# KiCad board element_foxtrot.kicad_pcb (continued)
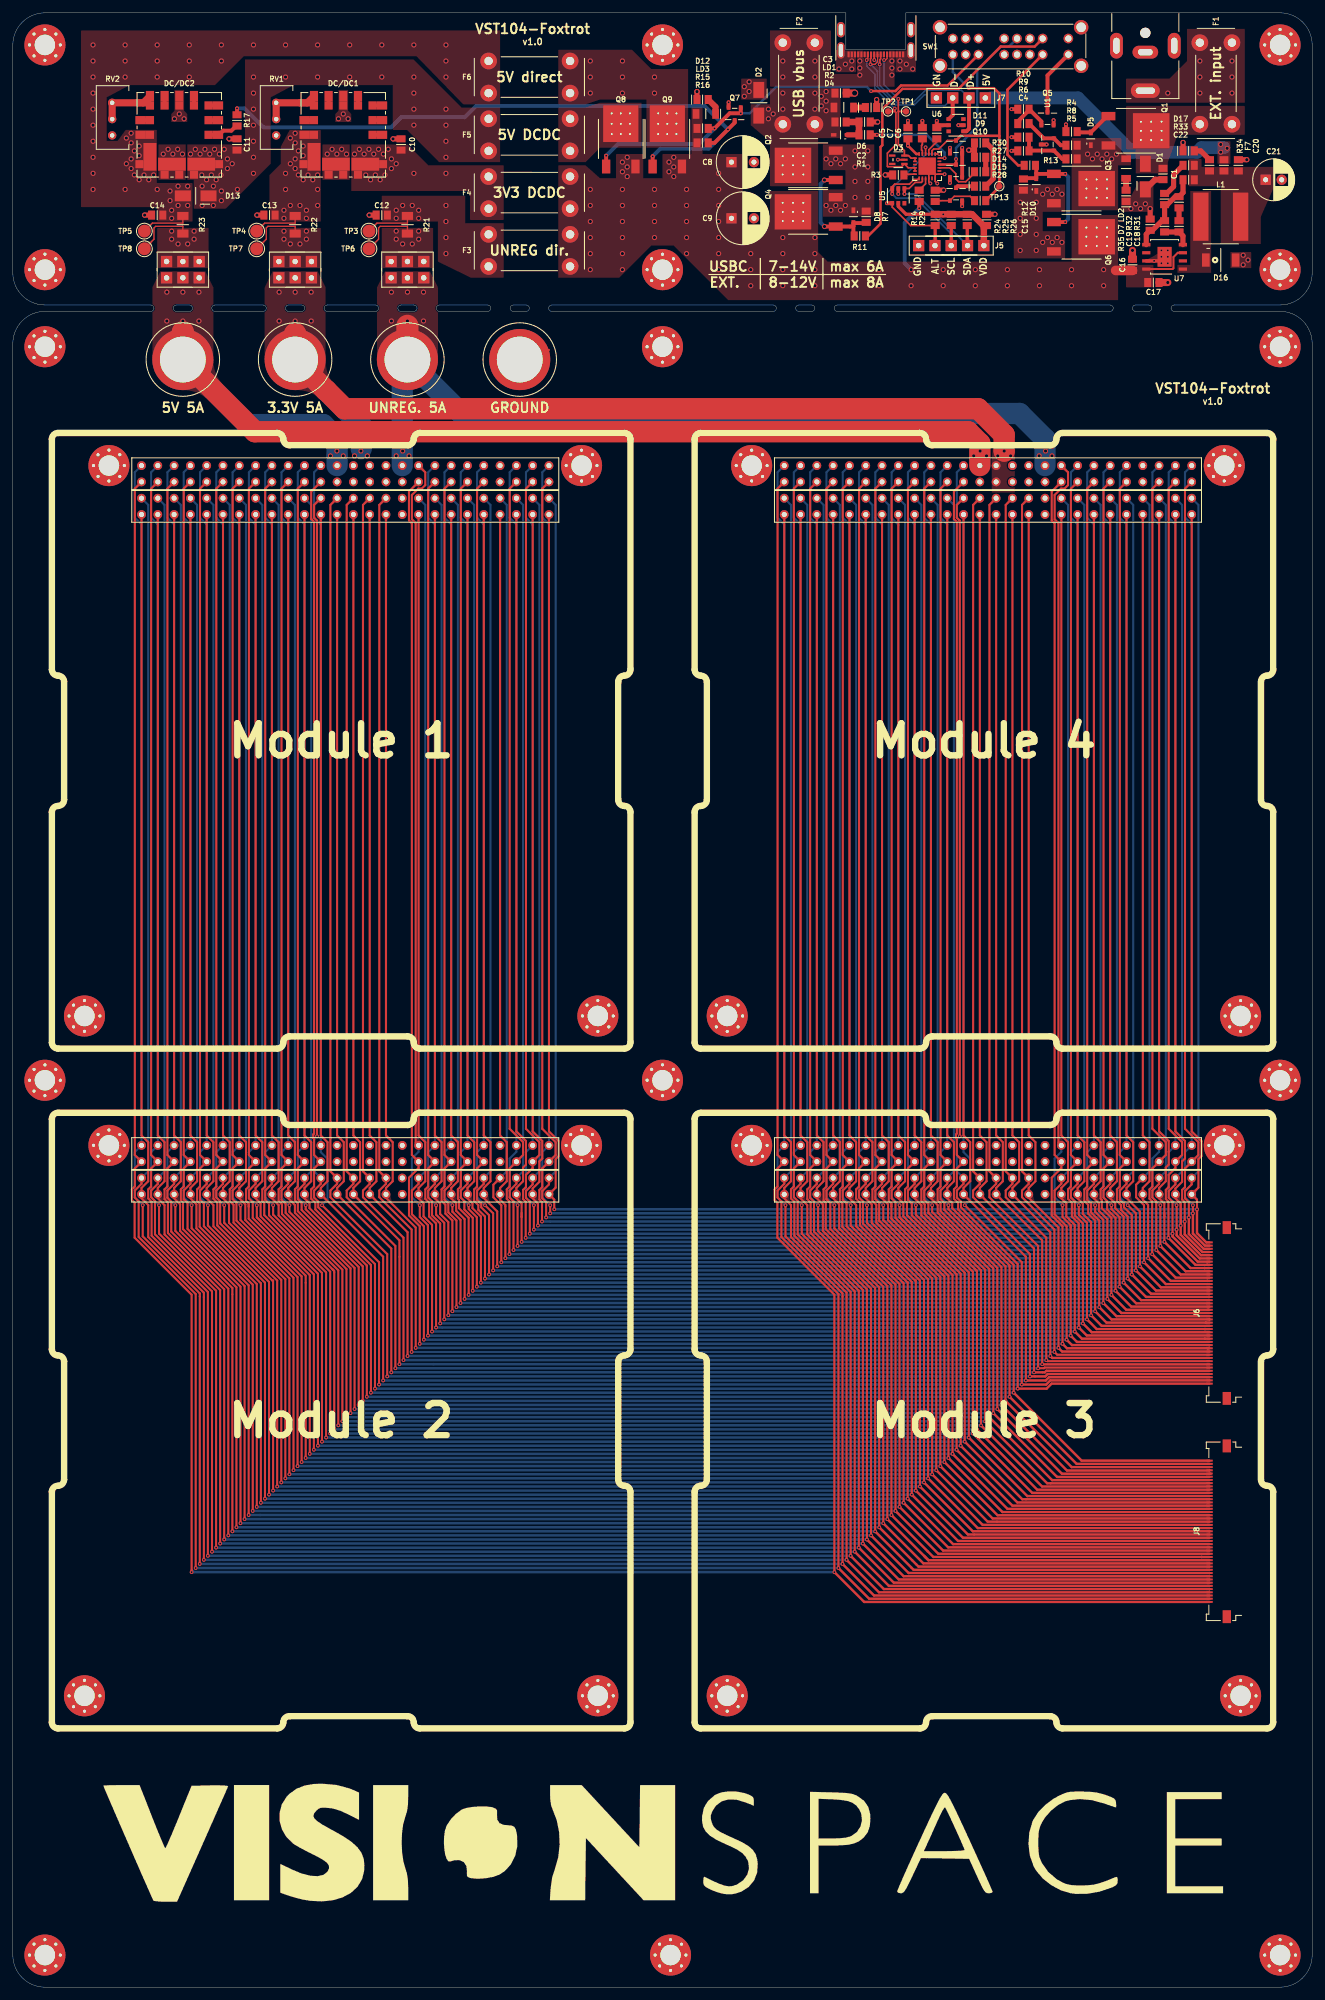
[diagram p0: board, top side]
## Copper pours and planes (outline as drawn; the poured copper is in the pictures) (continued)
/SUP_BAT_2 on In1.Cu: 75.58,236.08 75.62,236.13 75.67,236.16 75.7,236.2 75.74,236.22 75.78,236.25 75.81,236.27 75.84,236.28 75.87,236.29 75.9,236.3 75.93,236.3 76.18,237.23 75.25,236.98 75.25,236.95 75.24,236.92 75.23,236.89 75.22,236.86 75.2,236.83 75.17,236.79 75.15,236.75 75.11,236.72 75.08,236.67 75.03,236.63
/SUP_BAT_2 on In1.Cu: 75.03,131.46 75.08,131.42 75.11,131.37 75.15,131.34 75.17,131.3 75.2,131.26 75.22,131.23 75.23,131.2 75.24,131.17 75.25,131.14 75.25,131.11 76.18,130.86 75.93,131.79 75.9,131.79 75.87,131.8 75.84,131.81 75.81,131.82 75.78,131.84 75.74,131.87 75.7,131.89 75.67,131.93 75.62,131.96 75.58,132.01
/SUP_UNREG on Top: 66.25,253.5 56.75,253.5 56.75,264.75 58,267.25 65,267.25 66.25,264.75
/SUP_UNREG on Bottom: 67.96,249.37 67.63,249.73 67.34,250.09 67.08,250.47 66.86,250.86 66.67,251.26 66.52,251.67 66.4,252.1 66.32,252.54 66.27,252.99 66.25,253.45 59.81,255.18 61.54,248.74 62.01,248.73 62.46,248.68 62.89,248.6 63.32,248.48 63.73,248.32 64.14,248.14 64.53,247.91 64.9,247.65 65.27,247.36 65.62,247.03
/SUP_UNREG on Bottom: 62.35,245.21 62.52,245.84 62.71,246.44 62.91,247.01 63.13,247.55 63.37,248.06 63.63,248.53 63.9,248.97 64.19,249.38 64.5,249.76 64.83,250.1 61.5,255.88 58.16,250.1 58.47,249.76 58.73,249.38 58.95,248.97 59.11,248.53 59.22,248.06 59.28,247.55 59.3,247.01 59.26,246.44 59.17,245.84 59.04,245.21
/SUP_UNREG on Bottom: 162.53,127.68 159.2,127.68 159.2,240.64 162.53,240.64
/SUP_UNREG on Bottom: 62.36,127.68 59.03,127.68 59.03,240.64 62.36,240.64
/SUP_UNREG on In1.Cu: 162.53,127.68 159.2,127.68 159.2,240.64 162.53,240.64
/SUP_UNREG on In1.Cu: 62.36,127.68 59.03,127.68 59.03,240.64 62.36,240.64
/SUP_UNREG on In1.Cu: 66.25,264.75 66.25,253.5 56.75,253.5 56.75,264.75 58,267.25 65,267.25
/USB_N on Top: 146.78,292.86 146.78,292.95 146.79,293.04 146.81,293.12 146.83,293.2 146.86,293.28 146.89,293.36 146.93,293.43 146.98,293.5 147.03,293.56 147.09,293.63 146.48,294.69 145.87,293.63 145.93,293.56 145.98,293.5 146.03,293.43 146.07,293.36 146.1,293.28 146.13,293.2 146.15,293.12 146.17,293.04 146.18,292.95 146.18,292.86
/USB_N on Bottom: 145.37,292.96 145.46,293.04 145.55,293.11 145.64,293.18 145.75,293.23 145.85,293.28 145.97,293.31 146.09,293.34 146.21,293.36 146.34,293.37 146.47,293.38 146.79,294.56 145.61,294.24 145.6,294.11 145.59,293.98 145.57,293.86 145.54,293.74 145.51,293.62 145.46,293.52 145.41,293.41 145.34,293.32 145.27,293.23 145.19,293.14
/USB_P on Top: 149.32,292.86 149.32,292.95 149.33,293.04 149.35,293.12 149.37,293.2 149.4,293.28 149.43,293.36 149.47,293.43 149.52,293.5 149.57,293.56 149.63,293.63 149.02,294.69 148.41,293.63 148.47,293.56 148.52,293.5 148.57,293.43 148.61,293.36 148.64,293.28 148.67,293.2 148.69,293.12 148.71,293.04 148.72,292.95 148.72,292.86
/USB_P on Bottom: 147.73,295.36 147.81,295.27 147.88,295.18 147.95,295.09 148,294.98 148.05,294.88 148.08,294.76 148.11,294.64 148.13,294.52 148.14,294.39 148.15,294.26 149.33,293.94 149.01,295.12 148.88,295.13 148.75,295.14 148.63,295.16 148.51,295.19 148.39,295.22 148.29,295.27 148.18,295.32 148.09,295.39 148,295.46 147.91,295.54
/VOUT_3V3 on Top: 39.18,274.82 39.11,274.76 39.03,274.7 38.94,274.65 38.83,274.61 38.72,274.58 38.6,274.55 38.47,274.53 38.33,274.51 38.17,274.5 38.01,274.5 37.65,273.15 39,273.51 39,273.67 39.01,273.83 39.03,273.97 39.05,274.1 39.08,274.22 39.11,274.33 39.15,274.44 39.2,274.53 39.26,274.61 39.32,274.68
/VOUT_3V3 on Top: 48,275 40,275 40,282.25 41.75,284 41.75,286.62 43.14,289.25 48,289.25
/VOUT_3V3 on In1.Cu: 48,275 40,275 40,282.25 41.75,284 41.75,286.62 43.14,289.25 48,289.25
/VOUT_5V on Top: 21.68,274.82 21.61,274.76 21.53,274.7 21.44,274.65 21.33,274.61 21.22,274.58 21.1,274.55 20.97,274.53 20.83,274.51 20.67,274.5 20.51,274.5 20.15,273.15 21.5,273.51 21.5,273.67 21.51,273.83 21.53,273.97 21.55,274.1 21.58,274.22 21.61,274.33 21.65,274.44 21.7,274.53 21.76,274.61 21.82,274.68
/VOUT_5V on Top: 22.44,281 28,281 28,275 22.5,275 22.5,277.25 10.63,277.25 10.63,304.75 75.94,304.75 75.94,293.25 70.2,293.25 62.9,300.75 36,300.75 31.5,296.25 18.22,296.25 14.63,294.34 14.63,287.56 16.33,287.56 17.58,289.26 22.44,289.26
/VOUT_5V on In1.Cu: 22.44,281 28,281 28,275 22.5,275 22.5,277.25 10.63,277.25 10.63,304.75 75.94,304.75 75.94,293.25 70.2,293.25 62.9,300.75 36,300.75 31.5,296.25 18.22,296.25 14.63,294.34 14.63,287.56 16.33,287.56 17.58,289.26 22.44,289.26
/VOUT_UNREG on Top: 56.68,274.82 56.61,274.76 56.53,274.7 56.44,274.65 56.33,274.61 56.22,274.58 56.1,274.55 55.97,274.53 55.83,274.51 55.67,274.5 55.51,274.5 55.15,273.15 56.5,273.51 56.5,273.67 56.51,273.83 56.53,273.97 56.55,274.1 56.58,274.22 56.61,274.33 56.65,274.44 56.7,274.53 56.76,274.61 56.82,274.68
/VOUT_UNREG on Top: 70.5,274.75 76.5,274.75 76.5,266.25 71.38,266.25 66.25,268.75 66.25,275 57.5,275 57.5,279 70.5,279
/VOUT_UNREG on In1.Cu: 70.48,274.75 76.48,274.75 76.48,266.25 71.37,266.25 66.25,268.75 66.23,275 57.48,275 57.48,279 70.48,279
/VSINK on Top: 177.75,264.75 173.5,264.75 173.5,268.25 177.75,268.25
/VSINK on Top: 89.25,283.75 91.5,281.75 94,281.75 94,285.5 98.25,285.5 98.25,281.75 101.25,281.75 101.25,285.5 105.75,285.5 105.75,292.75 107.5,292.75 107.5,285.5 113.75,285.5 113.75,275 114.75,274 116.25,274 118,275.75 118,279.75 125.5,279.75 125.5,270.25 127,268.75 165,268.75 165,276 172.25,276 172.25,262.75 111.5,262.75 103,271.25 99.5,271.25 94.5,266.25 85,266.25 85,283.75
/VSINK on In1.Cu: 89.25,283.75 91.5,281.75 94,281.75 94,285.5 98.25,285.5 98.25,281.75 101.25,281.75 101.25,285.5 105.75,285.5 105.75,292.75 107.5,292.75 107.5,285.5 113.75,285.5 113.75,275 114.75,274 116.25,274 118,275.75 118,279.75 125.5,279.75 125.5,270.25 127,268.75 165,268.75 165,276 172.25,276 172.25,262.75 111.5,262.75 103,271.25 99.5,271.25 94.5,266.25 85,266.25 85,283.75
Net-(C1-Pad2) on Top: 192,288.5 181.5,288.5 180.75,286.25 180,284.25 180,282.5 175,282.5 175,286.25 173.5,286.25 173.5,293 192,293
Net-(C1-Pad2) on In1.Cu: 192,288.5 181.5,288.5 180.75,286.25 180,284.25 180,282.5 175,282.5 175,286.25 173.5,286.25 173.5,293 192,293
Net-(C5-Pad2) on Top: 126.25,280 129.75,280 129.75,283 126.25,283 126.25,287 134.25,287 134.25,275.75 126.25,275.75
Net-(C5-Pad2) on In1.Cu: 126.25,280 129.75,280 129.75,283 126.25,283 126.25,287 134.25,287 134.25,275.75 126.25,275.75
Net-(C6-Pad2) on Top: 143.36,286.6 143.42,286.74 143.47,286.86 143.53,286.97 143.59,287.07 143.65,287.15 143.72,287.21 143.78,287.26 143.85,287.3 143.92,287.32 143.99,287.33 144.19,288.07 143.45,287.87 143.45,287.79 143.44,287.71 143.43,287.62 143.41,287.52 143.39,287.41 143.36,287.3 143.32,287.18 143.28,287.06 143.24,286.92 143.19,286.78
Net-(C10-Pad1) on Top: 61.5,287 64.75,283.75 76.5,283.75 76.5,275.25 71.25,275.25 71.25,279.75 52.75,279.75 52.75,287
Net-(C10-Pad1) on In1.Cu: 61.5,287 64.75,283.75 76.5,283.75 76.5,275.25 71.25,275.25 71.25,279.75 52.75,279.75 52.75,287
Net-(C11-Pad1) on Top: 69.94,292.75 75.94,292.75 75.94,284.25 66.44,284.25 61.44,289.25 59.22,289.25 59.22,296.25 43.78,296.25 40.19,294.34 40.19,284 33.19,277 28.19,277 28.19,281.5 27.19,281.5 27.19,287 36.19,287 36.19,300.25 62.44,300.25
Net-(C11-Pad1) on In1.Cu: 69.94,292.75 75.94,292.75 75.94,284.25 66.44,284.25 61.44,289.25 59.22,289.25 59.22,296.25 43.78,296.25 40.19,294.34 40.19,284 33.19,277 28.19,277 28.19,281.5 27.19,281.5 27.19,287 36.19,287 36.19,300.25 62.44,300.25
Net-(C20-Pad1) on Top: 185.25,283.5 196.5,283.5 196.5,280.25 194.5,275.75 194.5,271.5 188.25,271.5 188.25,280.5 183.25,280.5 183.25,284.75 185.25,284.75
Net-(D5-Pad1) on Top: 172.75,288 172.75,285.5 174.25,285.5 174.25,283.75 172.25,283.75 172.25,276.75 165,276.75 165,288
Net-(D5-Pad1) on In1.Cu: 172.75,288 172.75,285.5 174.25,285.5 174.25,283.75 172.25,283.75 172.25,276.75 165,276.75 165,288
Net-(D5-Pad2) on Top: 170.16,290.61 170.23,290.64 170.3,290.66 170.36,290.69 170.43,290.71 170.49,290.73 170.55,290.74 170.6,290.75 170.65,290.76 170.7,290.76 170.74,290.77 170.98,291.64 170.1,291.41 170.1,291.37 170.09,291.32 170.07,291.28 170.04,291.24 170.01,291.21 169.97,291.17 169.92,291.13 169.86,291.1 169.8,291.06 169.73,291.03
Net-(D8-Pad2) on Top: 127.41,281.16 127.45,281.16 127.49,281.16 127.54,281.15 127.58,281.14 127.61,281.13 127.65,281.11 127.69,281.09 127.72,281.07 127.75,281.04 127.79,281.01 128.57,281.47 127.79,281.92 127.75,281.89 127.72,281.86 127.69,281.84 127.65,281.82 127.61,281.8 127.58,281.79 127.54,281.78 127.49,281.77 127.45,281.77 127.41,281.76
Net-(D8-Pad2) on Top: 127.41,273.91 127.45,273.91 127.49,273.91 127.54,273.9 127.58,273.89 127.61,273.88 127.65,273.86 127.69,273.84 127.72,273.82 127.75,273.79 127.79,273.76 128.57,274.22 127.79,274.67 127.75,274.64 127.72,274.61 127.69,274.59 127.65,274.57 127.61,274.55 127.58,274.54 127.54,274.53 127.49,274.52 127.45,274.52 127.41,274.51
Net-(D8-Pad2) on Top: 129.09,274.51 129.05,274.52 129.01,274.52 128.96,274.53 128.92,274.54 128.89,274.55 128.85,274.57 128.81,274.59 128.78,274.61 128.75,274.64 128.71,274.67 127.93,274.22 128.71,273.76 128.75,273.79 128.78,273.82 128.81,273.84 128.85,273.86 128.89,273.88 128.92,273.89 128.96,273.9 129.01,273.91 129.05,273.91 129.09,273.91
Net-(D9-Pad3) on Bottom: 155.68,302.41 155.75,302.48 155.82,302.53 155.9,302.59 155.97,302.63 156.05,302.67 156.14,302.7 156.22,302.72 156.31,302.74 156.4,302.75 156.49,302.75 156.77,303.77 155.75,303.49 155.75,303.4 155.74,303.31 155.72,303.22 155.7,303.14 155.67,303.05 155.63,302.97 155.59,302.9 155.53,302.82 155.48,302.75 155.41,302.68
Net-(D10-Pad1) on Top: 164,276.5 160.5,276.5 160.5,273.5 164,273.5 164,269.25 156,269.25 156,280.75 164,280.75
Net-(D10-Pad1) on In1.Cu: 164,276.5 160.5,276.5 160.5,273.5 164,273.5 164,269.25 156,269.25 156,280.75 164,280.75
Net-(D10-Pad2) on Top: 163.09,275.22 163.05,275.22 163.01,275.22 162.96,275.23 162.92,275.24 162.89,275.25 162.85,275.27 162.81,275.29 162.78,275.31 162.75,275.34 162.71,275.37 161.93,274.92 162.71,274.46 162.75,274.49 162.78,274.52 162.81,274.54 162.85,274.56 162.89,274.58 162.92,274.59 162.96,274.6 163.01,274.61 163.05,274.61 163.09,274.62
Net-(D10-Pad2) on Top: 163.09,282.72 163.05,282.72 163.01,282.72 162.96,282.73 162.92,282.74 162.89,282.75 162.85,282.77 162.81,282.79 162.78,282.81 162.75,282.84 162.71,282.87 161.93,282.42 162.71,281.96 162.75,281.99 162.78,282.02 162.81,282.04 162.85,282.06 162.89,282.08 162.92,282.09 162.96,282.1 163.01,282.11 163.05,282.11 163.09,282.12
Net-(D10-Pad2) on Top: 161.41,282.12 161.45,282.11 161.49,282.11 161.54,282.1 161.58,282.09 161.61,282.08 161.65,282.06 161.69,282.04 161.72,282.02 161.75,281.99 161.79,281.96 162.57,282.42 161.79,282.87 161.75,282.84 161.72,282.81 161.69,282.79 161.65,282.77 161.61,282.75 161.58,282.74 161.54,282.73 161.49,282.72 161.45,282.72 161.41,282.72
Net-(D16-Pad1) on Top: 186.75,267 181.5,267 181.5,268.25 183.5,268.25 183.5,279.75 186.75,279.75
Net-(DC/DC1-Pad1) on Top: 56.9,288.8 56.85,288.8 56.81,288.81 56.77,288.81 56.73,288.82 56.69,288.84 56.65,288.85 56.62,288.87 56.58,288.89 56.55,288.92 56.52,288.94 55.75,288.5 56.52,288.06 56.55,288.08 56.58,288.11 56.62,288.13 56.65,288.15 56.69,288.16 56.73,288.18 56.77,288.19 56.81,288.19 56.85,288.2 56.9,288.2
Net-(DC/DC1-Pad1) on Top: 56.69,288.2 56.74,288.2 56.78,288.19 56.82,288.19 56.86,288.18 56.9,288.16 56.94,288.15 56.97,288.13 57.01,288.11 57.04,288.08 57.07,288.06 57.84,288.5 57.07,288.94 57.04,288.92 57.01,288.89 56.97,288.87 56.94,288.85 56.9,288.84 56.86,288.82 56.82,288.81 56.78,288.81 56.74,288.8 56.69,288.8
Net-(DC/DC1-Pad8) on Top: 53.49,293.9 53.49,293.85 53.48,293.81 53.48,293.77 53.47,293.73 53.45,293.69 53.44,293.65 53.42,293.62 53.4,293.58 53.37,293.55 53.35,293.52 53.79,292.75 54.23,293.52 54.21,293.55 54.18,293.58 54.16,293.62 54.14,293.65 54.13,293.69 54.11,293.73 54.1,293.77 54.1,293.81 54.09,293.85 54.09,293.9
Net-(DC/DC1-Pad8) on Top: 54.09,293.69 54.09,293.74 54.1,293.78 54.1,293.82 54.11,293.86 54.13,293.9 54.14,293.94 54.16,293.97 54.18,294.01 54.21,294.04 54.23,294.07 53.79,294.84 53.35,294.07 53.37,294.04 53.4,294.01 53.42,293.97 53.44,293.94 53.45,293.9 53.47,293.86 53.48,293.82 53.48,293.78 53.49,293.74 53.49,293.69
Net-(DC/DC1-Pad9) on Top: 56.9,293.37 56.85,293.37 56.81,293.38 56.77,293.38 56.73,293.39 56.69,293.41 56.65,293.42 56.62,293.44 56.58,293.46 56.55,293.49 56.52,293.51 55.75,293.07 56.52,292.63 56.55,292.65 56.58,292.68 56.62,292.7 56.65,292.72 56.69,292.73 56.73,292.75 56.77,292.76 56.81,292.76 56.85,292.77 56.9,292.77
Net-(DC/DC1-Pad9) on Top: 56.69,292.77 56.74,292.77 56.78,292.76 56.82,292.76 56.86,292.75 56.9,292.73 56.94,292.72 56.97,292.7 57.01,292.68 57.04,292.65 57.07,292.63 57.84,293.07 57.07,293.51 57.04,293.49 57.01,293.46 56.97,293.44 56.94,293.42 56.9,293.41 56.86,293.39 56.82,293.38 56.78,293.38 56.74,293.37 56.69,293.37
Net-(DC/DC1-Pad10) on Top: 56.9,291.09 56.85,291.09 56.81,291.1 56.77,291.1 56.73,291.11 56.69,291.13 56.65,291.14 56.62,291.16 56.58,291.18 56.55,291.21 56.52,291.23 55.75,290.79 56.52,290.35 56.55,290.37 56.58,290.4 56.62,290.42 56.65,290.44 56.69,290.45 56.73,290.47 56.77,290.48 56.81,290.48 56.85,290.49 56.9,290.49
Net-(DC/DC1-Pad10) on Top: 56.69,290.49 56.74,290.49 56.78,290.48 56.82,290.48 56.86,290.47 56.9,290.45 56.94,290.44 56.97,290.42 57.01,290.4 57.04,290.37 57.07,290.35 57.84,290.79 57.07,291.23 57.04,291.21 57.01,291.18 56.97,291.16 56.94,291.14 56.9,291.13 56.86,291.11 56.82,291.1 56.78,291.1 56.74,291.09 56.69,291.09
Net-(DC/DC1-Pad11) on Top: 46.1,290.49 46.15,290.49 46.19,290.48 46.23,290.48 46.27,290.47 46.31,290.45 46.35,290.44 46.38,290.42 46.42,290.4 46.45,290.37 46.48,290.35 47.25,290.79 46.48,291.23 46.45,291.21 46.42,291.18 46.38,291.16 46.35,291.14 46.31,291.13 46.27,291.11 46.23,291.1 46.19,291.1 46.15,291.09 46.1,291.09
Net-(DC/DC1-Pad11) on Top: 46.31,291.09 46.26,291.09 46.22,291.1 46.18,291.1 46.14,291.11 46.1,291.13 46.06,291.14 46.03,291.16 45.99,291.18 45.96,291.21 45.93,291.23 45.16,290.79 45.93,290.35 45.96,290.37 45.99,290.4 46.03,290.42 46.06,290.44 46.1,290.45 46.14,290.47 46.18,290.48 46.22,290.48 46.26,290.49 46.31,290.49
Net-(DC/DC1-Pad12) on Top: 48.91,293.9 48.91,293.85 48.9,293.81 48.9,293.77 48.89,293.73 48.87,293.69 48.86,293.65 48.84,293.62 48.82,293.58 48.79,293.55 48.77,293.52 49.21,292.75 49.65,293.52 49.63,293.55 49.6,293.58 49.58,293.62 49.56,293.65 49.55,293.69 49.53,293.73 49.52,293.77 49.52,293.81 49.51,293.85 49.51,293.9
Net-(DC/DC1-Pad12) on Top: 49.51,293.69 49.51,293.74 49.52,293.78 49.52,293.82 49.53,293.86 49.55,293.9 49.56,293.94 49.58,293.97 49.6,294.01 49.63,294.04 49.65,294.07 49.21,294.84 48.77,294.07 48.79,294.04 48.82,294.01 48.84,293.97 48.86,293.94 48.87,293.9 48.89,293.86 48.9,293.82 48.9,293.78 48.91,293.74 48.91,293.69
Net-(DC/DC2-Pad1) on Top: 32.51,289.3 32.44,289.26 32.38,289.24 32.32,289.21 32.26,289.19 32.2,289.17 32.15,289.16 32.1,289.15 32.05,289.14 32.01,289.14 31.97,289.13 31.74,288.28 32.59,288.51 32.6,288.55 32.61,288.59 32.62,288.62 32.65,288.66 32.68,288.7 32.72,288.73 32.76,288.77 32.81,288.8 32.87,288.84 32.94,288.87
Net-(DC/DC2-Pad1) on Top: 31.34,288.8 31.29,288.8 31.25,288.81 31.21,288.81 31.17,288.82 31.13,288.84 31.09,288.85 31.06,288.87 31.02,288.89 30.99,288.92 30.96,288.94 30.19,288.5 30.96,288.06 30.99,288.08 31.02,288.11 31.06,288.13 31.09,288.15 31.13,288.16 31.17,288.18 31.21,288.19 31.25,288.19 31.29,288.2 31.34,288.2
Net-(DC/DC2-Pad1) on Top: 31.13,288.2 31.18,288.2 31.22,288.19 31.26,288.19 31.3,288.18 31.34,288.16 31.38,288.15 31.41,288.13 31.45,288.11 31.48,288.08 31.51,288.06 32.28,288.5 31.51,288.94 31.48,288.92 31.45,288.89 31.41,288.87 31.38,288.85 31.34,288.84 31.3,288.82 31.26,288.81 31.22,288.81 31.18,288.8 31.13,288.8
Net-(DC/DC2-Pad8) on Top: 27.93,293.9 27.93,293.85 27.92,293.81 27.92,293.77 27.91,293.73 27.89,293.69 27.88,293.65 27.86,293.62 27.84,293.58 27.81,293.55 27.79,293.52 28.23,292.75 28.67,293.52 28.65,293.55 28.62,293.58 28.6,293.62 28.58,293.65 28.57,293.69 28.55,293.73 28.54,293.77 28.54,293.81 28.53,293.85 28.53,293.9
Net-(DC/DC2-Pad8) on Top: 28.53,293.69 28.53,293.74 28.54,293.78 28.54,293.82 28.55,293.86 28.57,293.9 28.58,293.94 28.6,293.97 28.62,294.01 28.65,294.04 28.67,294.07 28.23,294.84 27.79,294.07 27.81,294.04 27.84,294.01 27.86,293.97 27.88,293.94 27.89,293.9 27.91,293.86 27.92,293.82 27.92,293.78 27.93,293.74 27.93,293.69
Net-(DC/DC2-Pad9) on Top: 31.34,293.37 31.29,293.37 31.25,293.38 31.21,293.38 31.17,293.39 31.13,293.41 31.09,293.42 31.06,293.44 31.02,293.46 30.99,293.49 30.96,293.51 30.19,293.07 30.96,292.63 30.99,292.65 31.02,292.68 31.06,292.7 31.09,292.72 31.13,292.73 31.17,292.75 31.21,292.76 31.25,292.76 31.29,292.77 31.34,292.77
Net-(DC/DC2-Pad9) on Top: 31.13,292.77 31.18,292.77 31.22,292.76 31.26,292.76 31.3,292.75 31.34,292.73 31.38,292.72 31.41,292.7 31.45,292.68 31.48,292.65 31.51,292.63 32.28,293.07 31.51,293.51 31.48,293.49 31.45,293.46 31.41,293.44 31.38,293.42 31.34,293.41 31.3,293.39 31.26,293.38 31.22,293.38 31.18,293.37 31.13,293.37
Net-(DC/DC2-Pad10) on Top: 31.34,291.09 31.29,291.09 31.25,291.1 31.21,291.1 31.17,291.11 31.13,291.13 31.09,291.14 31.06,291.16 31.02,291.18 30.99,291.21 30.96,291.23 30.19,290.79 30.96,290.35 30.99,290.37 31.02,290.4 31.06,290.42 31.09,290.44 31.13,290.45 31.17,290.47 31.21,290.48 31.25,290.48 31.29,290.49 31.34,290.49
Net-(DC/DC2-Pad10) on Top: 31.13,290.49 31.18,290.49 31.22,290.48 31.26,290.48 31.3,290.47 31.34,290.45 31.38,290.44 31.41,290.42 31.45,290.4 31.48,290.37 31.51,290.35 32.28,290.79 31.51,291.23 31.48,291.21 31.45,291.18 31.41,291.16 31.38,291.14 31.34,291.13 31.3,291.11 31.26,291.1 31.22,291.1 31.18,291.09 31.13,291.09
Net-(DC/DC2-Pad11) on Top: 20.54,290.49 20.59,290.49 20.63,290.48 20.67,290.48 20.71,290.47 20.75,290.45 20.79,290.44 20.82,290.42 20.86,290.4 20.89,290.37 20.92,290.35 21.69,290.79 20.92,291.23 20.89,291.21 20.86,291.18 20.82,291.16 20.79,291.14 20.75,291.13 20.71,291.11 20.67,291.1 20.63,291.1 20.59,291.09 20.54,291.09
Net-(DC/DC2-Pad11) on Top: 20.75,291.09 20.7,291.09 20.66,291.1 20.62,291.1 20.58,291.11 20.54,291.13 20.5,291.14 20.47,291.16 20.43,291.18 20.4,291.21 20.37,291.23 19.6,290.79 20.37,290.35 20.4,290.37 20.43,290.4 20.47,290.42 20.5,290.44 20.54,290.45 20.58,290.47 20.62,290.48 20.66,290.48 20.7,290.49 20.75,290.49
Net-(DC/DC2-Pad12) on Top: 23.35,293.9 23.35,293.85 23.34,293.81 23.34,293.77 23.33,293.73 23.31,293.69 23.3,293.65 23.28,293.62 23.26,293.58 23.23,293.55 23.21,293.52 23.65,292.75 24.09,293.52 24.07,293.55 24.04,293.58 24.02,293.62 24,293.65 23.99,293.69 23.97,293.73 23.96,293.77 23.96,293.81 23.95,293.85 23.95,293.9
Net-(DC/DC2-Pad12) on Top: 23.95,293.69 23.95,293.74 23.96,293.78 23.96,293.82 23.97,293.86 23.99,293.9 24,293.94 24.02,293.97 24.04,294.01 24.07,294.04 24.09,294.07 23.65,294.84 23.21,294.07 23.23,294.04 23.26,294.01 23.28,293.97 23.3,293.94 23.31,293.9 23.33,293.86 23.34,293.82 23.34,293.78 23.35,293.74 23.35,293.69
Net-(F1-Pad2) on Top: 192,293.5 173.5,293.5 173.5,297.25 180.25,297.25 183,300 183,305 192,305
Net-(F1-Pad2) on In1.Cu: 192,293.5 173.5,293.5 173.5,297.25 180.25,297.25 183,300 183,305 192,305
Net-(F2-Pad2) on Top: 127.5,298 131.58,298 131.58,301.75 137.43,301.75 137.43,296 118,296 118,304.75 127.5,304.75
Net-(F2-Pad2) on In1.Cu: 127.5,298 131.58,298 131.58,301.75 137.43,301.75 137.43,296 118,296 118,304.75 127.5,304.75
Net-(F5-Pad2) on Top: 98,286.5 91.5,286.5 89.25,284.25 85,284.25 85,292.75 89.25,292.75 91.5,293.5 98,293.5
Net-(F5-Pad2) on In1.Cu: 98,286.5 91.5,286.5 89.25,284.25 85,284.25 85,292.75 89.25,292.75 91.5,293.5 98,293.5
Net-(F6-Pad2) on Top: 99.5,298.75 105.25,298.75 105.25,286.5 98.75,286.5 98.75,294 91.5,294 89.25,293.25 85,293.25 85,301.75 96.5,301.75
Net-(F6-Pad2) on In1.Cu: 99.5,298.75 105.25,298.75 105.25,286.5 98.75,286.5 98.75,294 91.5,294 89.25,293.25 85,293.25 85,301.75 96.5,301.75
Net-(J2-Pad1) on Top: 56.93,272.32 56.81,272.21 56.69,272.11 56.56,272.03 56.42,271.95 56.28,271.89 56.14,271.84 55.99,271.8 55.84,271.77 55.68,271.75 55.51,271.75 55.15,270.4 56.5,270.76 56.5,270.93 56.52,271.09 56.55,271.24 56.59,271.39 56.64,271.53 56.7,271.67 56.78,271.81 56.86,271.94 56.96,272.06 57.07,272.18
Net-(J2-Pad1) on Top: 65.5,267.75 57.5,267.75 57.5,274 65.5,274
Net-(J2-Pad1) on In1.Cu: 65.5,267.75 57.5,267.75 57.5,274 65.5,274
Net-(J3-Pad1) on Top: 39.43,272.32 39.31,272.21 39.19,272.11 39.06,272.03 38.92,271.95 38.78,271.89 38.64,271.84 38.49,271.8 38.34,271.77 38.18,271.75 38.01,271.75 37.65,270.4 39,270.76 39,270.93 39.02,271.09 39.05,271.24 39.09,271.39 39.14,271.53 39.2,271.67 39.28,271.81 39.36,271.94 39.46,272.06 39.57,272.18
Net-(J3-Pad1) on Top: 48,267.75 40,267.75 40,274 48,274
Net-(J3-Pad1) on In1.Cu: 48,267.75 40,267.75 40,274 48,274
Net-(J4-Pad1) on Top: 21.93,272.32 21.81,272.21 21.69,272.11 21.56,272.03 21.42,271.95 21.28,271.89 21.14,271.84 20.99,271.8 20.84,271.77 20.68,271.75 20.51,271.75 20.15,270.4 21.5,270.76 21.5,270.93 21.52,271.09 21.55,271.24 21.59,271.39 21.64,271.53 21.7,271.67 21.78,271.81 21.86,271.94 21.96,272.06 22.07,272.18
Net-(J4-Pad1) on Top: 30.5,267.75 22.5,267.75 22.5,274 30.5,274
Net-(J4-Pad1) on In1.Cu: 30.5,267.75 22.5,267.75 22.5,274 30.5,274
Net-(Q5-Pad1) on Top: 156.92,291.32 156.89,291.22 156.85,291.13 156.82,291.05 156.79,290.99 156.76,290.93 156.73,290.88 156.71,290.85 156.68,290.82 156.65,290.8 156.63,290.8 156.43,290.06 157.17,290.26 157.34,290.89
Net-(Q5-Pad3) on Top: 163.94,300.02 163.99,300.06 164.04,300.1 164.09,300.14 164.14,300.17 164.2,300.19 164.25,300.21 164.31,300.23 164.37,300.24 164.43,300.25 164.49,300.25 164.77,301.27 163.75,300.99 163.75,300.93 163.74,300.87 163.73,300.81 163.71,300.75 163.69,300.7 163.67,300.64 163.64,300.59 163.6,300.54 163.56,300.49 163.52,300.44
Net-(Q7-Pad1) on Top: 92.16,284.41 92.16,284.36 92.16,284.32 92.15,284.28 92.14,284.24 92.13,284.2 92.11,284.16 92.09,284.13 92.07,284.09 92.04,284.06 92.01,284.03 92.47,283.24 92.92,284.03 92.89,284.06 92.86,284.09 92.84,284.13 92.82,284.16 92.8,284.2 92.79,284.24 92.78,284.28 92.77,284.32 92.77,284.36 92.76,284.41
Net-(Q7-Pad1) on Top: 149.68,299.91 149.75,299.98 149.82,300.03 149.9,300.09 149.97,300.13 150.05,300.17 150.14,300.2 150.22,300.22 150.31,300.24 150.4,300.25 150.49,300.25 150.77,301.27 149.75,300.99 149.75,300.9 149.74,300.81 149.72,300.72 149.7,300.64 149.67,300.55 149.63,300.47 149.59,300.4 149.53,300.32 149.48,300.25 149.41,300.18
Net-(Q7-Pad3) on Top: 99.41,284.41 99.41,284.36 99.41,284.32 99.4,284.28 99.39,284.24 99.38,284.2 99.36,284.16 99.34,284.13 99.32,284.09 99.29,284.06 99.26,284.03 99.72,283.24 100.17,284.03 100.14,284.06 100.11,284.09 100.09,284.13 100.07,284.16 100.05,284.2 100.04,284.24 100.03,284.28 100.02,284.32 100.02,284.36 100.01,284.41
Net-(Q10-Pad1) on Top: 144.9,278.38 144.8,278.35 144.71,278.34 144.62,278.33 144.54,278.34 144.46,278.35 144.39,278.36 144.32,278.39 144.25,278.42 144.2,278.46 144.14,278.51 143.47,278.12 144.14,277.74 144.2,277.79 144.25,277.84 144.32,277.88 144.39,277.93 144.46,277.97 144.54,278 144.62,278.04 144.71,278.07 144.8,278.1 144.9,278.12
Net-(R11-Pad2) on Top: 133.79,273.5 133.67,273.46 133.55,273.43 133.44,273.4 133.34,273.37 133.24,273.35 133.16,273.33 133.08,273.32 133,273.31 132.94,273.3 132.88,273.3 132.68,272.56 133.42,272.76 133.43,272.81 133.45,272.86 133.48,272.91 133.53,272.96 133.58,273.01 133.65,273.06 133.73,273.1 133.83,273.15 133.94,273.19 134.06,273.23
Net-(R11-Pad2) on Top: 159.68,302.41 159.75,302.48 159.82,302.53 159.9,302.59 159.97,302.63 160.05,302.67 160.14,302.7 160.22,302.72 160.31,302.74 160.4,302.75 160.49,302.75 160.77,303.77 159.75,303.49 159.75,303.4 159.74,303.31 159.72,303.22 159.7,303.14 159.67,303.05 159.63,302.97 159.59,302.9 159.53,302.82 159.48,302.75 159.41,302.68
Net-(R13-Pad2) on Top: 159.7,299.92 159.77,299.98 159.84,300.04 159.91,300.09 159.99,300.13 160.07,300.17 160.15,300.2 160.23,300.22 160.32,300.24 160.4,300.25 160.49,300.25 160.77,301.27 159.75,300.99 159.75,300.9 159.74,300.82 159.72,300.73 159.7,300.65 159.67,300.57 159.63,300.49 159.59,300.41 159.54,300.34 159.48,300.27 159.42,300.2
Net-(R14-Pad1) on Top: 141.89,280.69 141.83,280.64 141.78,280.59 141.72,280.55 141.66,280.52 141.6,280.49 141.53,280.47 141.47,280.45 141.4,280.43 141.33,280.43 141.26,280.42 141.06,279.68 141.8,279.88 141.8,279.95 141.81,280.02 141.82,280.09 141.84,280.16 141.86,280.22 141.89,280.28 141.93,280.34 141.97,280.4 142.01,280.46 142.06,280.51

Small or netless copper shapes (teardrops, artwork), in the pictures only: 387 on Top, 237 on Bottom

## Text on the board
F.SilkS: v1.0 | GND | ALT | GN | SCL | D- | SDA | D+ | VDD | 5V | 5V 5A | 3.3V 5A | UNREG. 5A | GROUND | 5V direct | 5V DCDC | 3V3 DCDC | UNREG dir. | VST104-Foxtrot | USBC | EXT. | 7-14V | 8-12V | max 6A | max 8A | USB vbus | EXT. input
